# KiCad board FetsAndCrosses.kicad_pcb (continued)
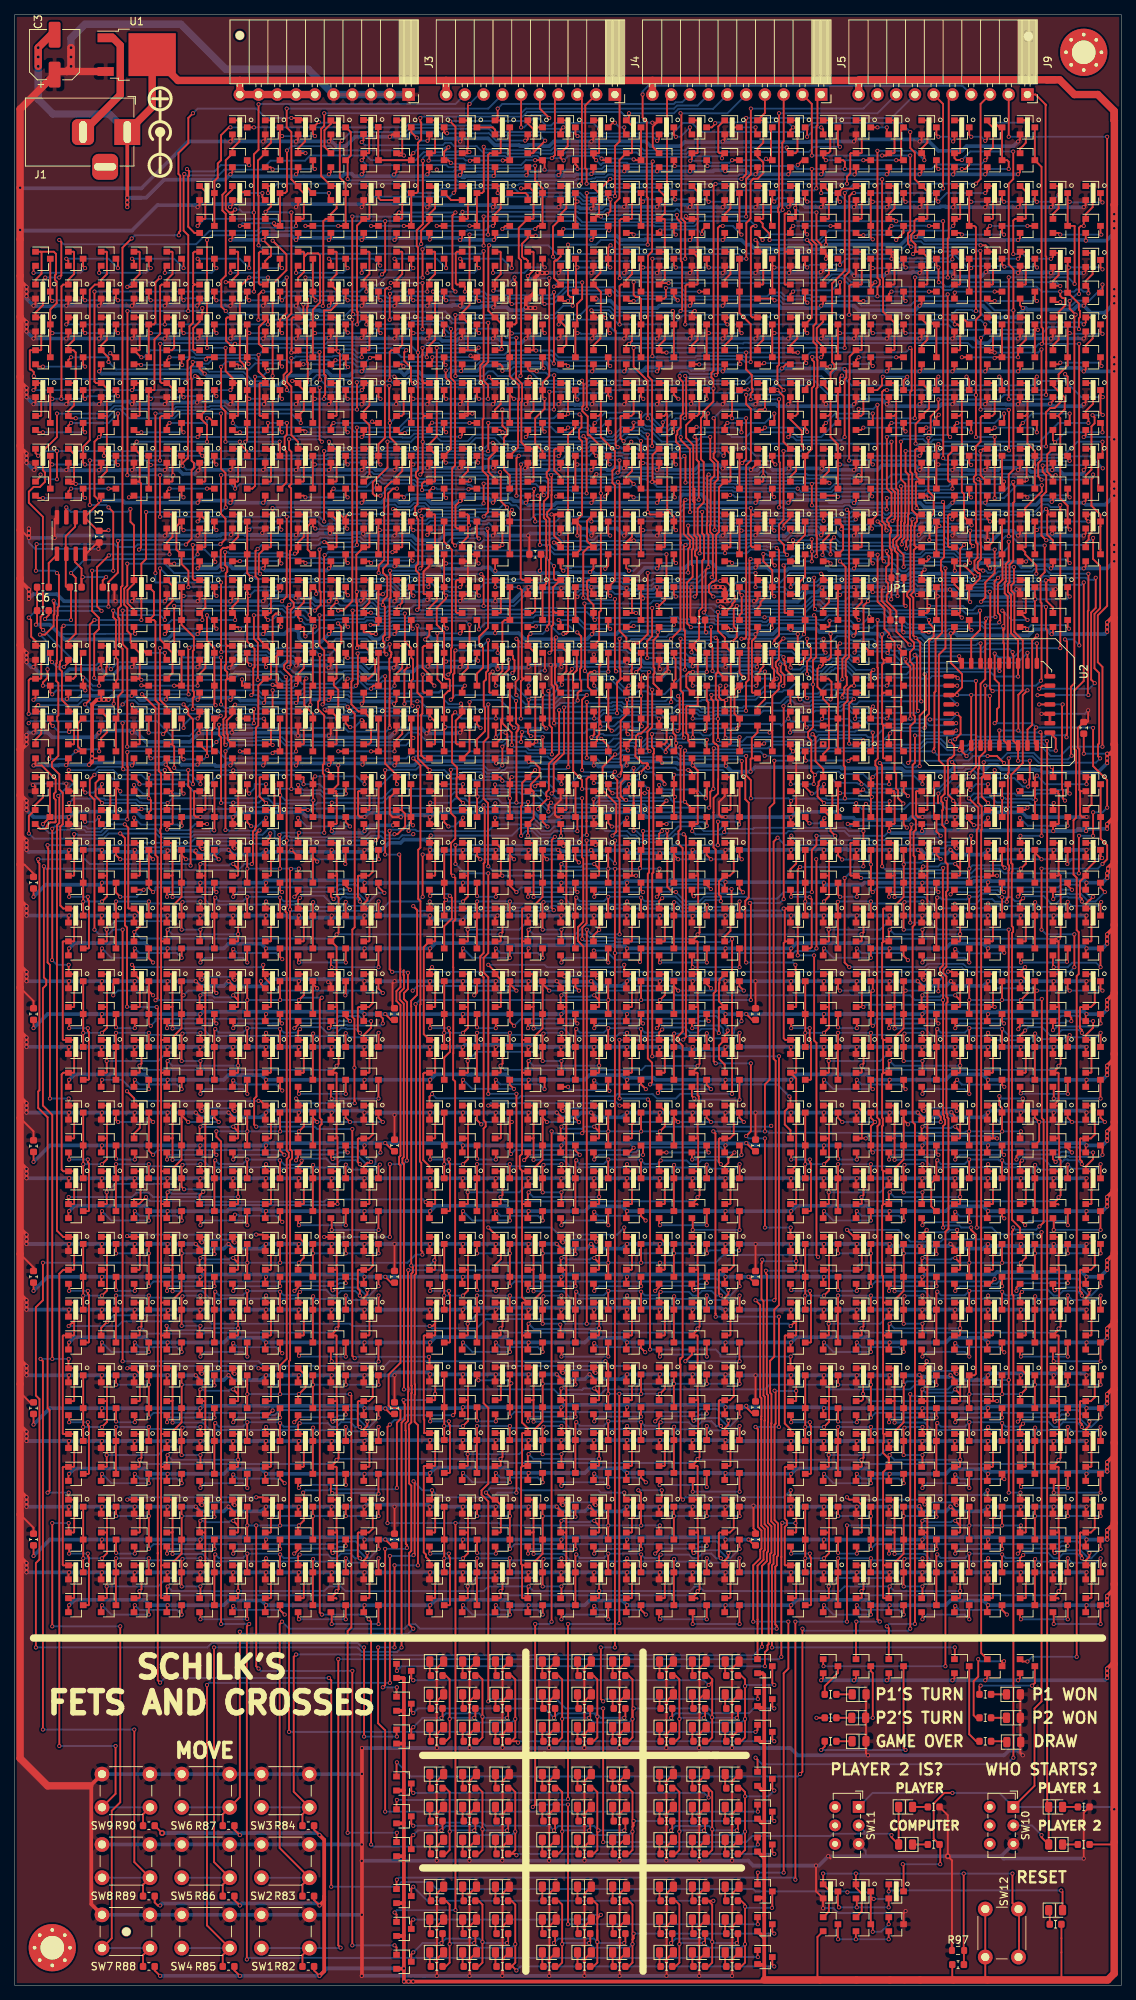
[diagram p0: board, top side]
## Routing (per net, layer and track width the routed paths; a pad name or vN(x,y) marks a point on that pad's centre or on a via; arc(x,y) is an arc through that point) (continued)
  Bottom w0.5: v1(7.37,86.99) 8.09,87.72 17.61,87.72 18.34,86.99 28.32,86.99 28.96,87.63 33.4,87.63 v1(34.04,86.99) v1(47.37,86.99) v1(56.26,86.99) 56.99,87.72 66.51,87.72 67.23,86.99 77.22,86.99 77.85,87.63 82.3,87.63 v1(82.93,86.99) v1(96.27,86.99) v1(105.16,86.99) 105.88,87.72 115.4,87.72 116.13,86.99 126.11,86.99 126.75,87.63 131.19,87.63 v1(131.83,86.99) v1(145.16,86.99) 147.32,86.99 v1(147.95,87.63) v1(147.95,88.26) v1(147.95,88.9) ; v1(7.37,69.21) 8.09,69.94 17.61,69.94 18.34,69.21 28.32,69.21 28.96,69.85 33.4,69.85 v1(34.04,69.21) v1(47.37,69.21) 56.14,69.21 v1(56.26,69.34) 56.99,70.07 66.51,70.07 67.23,69.34 77.22,69.34 77.85,69.97 82.3,69.97 v1(82.93,69.34) v1(96.27,69.34) 96.39,69.21 v1(105.16,69.21) 105.88,69.94 115.4,69.94 116.13,69.21 126.11,69.21 126.75,69.85 131.19,69.85 v1(131.83,69.21) 132.1,69.49 144.89,69.49 v1(145.16,69.21) 145.48,69.53 v1(147.98,69.53) 147.98,70.78 v1(147.95,70.8) v1(147.95,70.17) ; v1(7.37,51.43) 8.09,52.16 17.61,52.16 18.34,51.43 28.32,51.43 28.96,52.07 33.4,52.07 v1(34.04,51.43) v1(47.37,51.43) v1(56.26,51.43) 56.99,52.16 66.51,52.16 67.23,51.43 77.22,51.43 77.85,52.07 82.3,52.07 v1(82.93,51.43) v1(96.27,51.43) v1(105.16,51.43) 105.88,52.16 115.4,52.16 116.13,51.43 126.11,51.43 126.75,52.07 131.19,52.07 v1(131.83,51.43) v1(145.16,51.43) v1(147.98,51.43) 147.98,52.68 v1(147.95,52.7) v1(147.95,52.07) ; v1(7.37,122.55) 8.09,123.28 17.61,123.28 18.34,122.55 28.32,122.55 28.96,123.19 33.4,123.19 v1(34.04,122.55) v1(47.37,122.55) v1(56.26,122.55) 56.99,123.28 61.33,123.28 61.36,123.25 61.83,123.25 61.86,123.28 66.51,123.28 67.23,122.55 77.22,122.55 77.85,123.19 82.3,123.19 v1(82.93,122.55) 83.21,122.83 86.54,122.83 86.82,122.55 v1(96.27,122.55) v1(105.16,122.55) 105.88,123.28 115.4,123.28 116.13,122.55 126.11,122.55 126.84,123.28 131.1,123.28 v1(131.83,122.55) v1(145.16,122.55) 147.32,122.55 v1(147.95,123.19) v1(147.95,124.46) ; 46.99,104.77 v1(34.04,104.77) 33.65,104.77 33.4,105.02 29,105.02 28.75,104.77 18.34,104.77 17.61,105.5 8.09,105.5 v1(7.37,104.77) ; 46.99,104.77 v1(56.26,104.77) 56.99,105.5 66.51,105.5 67.23,104.77 77.22,104.77 77.85,105.41 82.3,105.41 v1(82.93,104.77) 95.89,104.77 ; 46.99,104.77 v1(47.37,104.77) ; v1(47.37,113.66) 47.05,113.99 ; 47.05,113.99 60.39,113.99 v1(60.71,113.66) 74.03,113.66 v1(74.04,113.66) 74.36,113.99 82.87,113.98 82.87,113.99 95.95,113.99 v1(96.27,113.66) 96.54,113.94 99.33,113.94 99.61,113.66 v1(109.6,113.66) 122.93,113.66 v1(122.93,113.66) 123.26,113.99 131.76,113.99 131.85,113.89 133.38,113.89 133.47,113.99 144.84,113.99 v1(145.16,113.66) 147.32,113.66 v1(147.95,114.3) v1(147.95,114.93) v1(147.95,115.57) ; 47.05,113.99 33.98,113.99 33.65,113.66 v1(25.14,113.66) 25.14,113.66 v1(11.81,113.66) 4.76,113.66 v1(2.54,111.44) ; 95.89,104.77 v1(105.16,104.77) 105.88,105.5 115.4,105.5 116.13,104.77 126.11,104.77 126.75,105.41 131.19,105.41 v1(131.83,104.77) v1(145.16,104.77) 147.32,104.77 v1(147.95,105.41) v1(147.95,106.04) v1(147.95,106.68) ; 95.89,104.77 v1(96.27,104.77) ; v1(73.66,245.01) 74.28,245.01 74.39,244.9 ; 49.53,149.22 54.61,149.22 54.61,149.22 v1(60.71,149.22) 74.03,149.22 v1(74.04,149.22) 82.54,149.22 82.86,149.55 82.96,149.45 88.69,149.45 88.82,149.58 95.99,149.58 v1(96.27,149.3) 109.53,149.3 v1(109.6,149.22) 109.88,148.95 114.78,148.95 115.05,149.22 v1(122.93,149.22) 129.71,149.22 129.96,149.47 132.01,149.47 132.08,149.55 132.18,149.45 133.38,149.45 133.47,149.55 144.84,149.55 v1(145.16,149.22) 147.32,149.22 v1(147.95,149.86) 148.07,149.98 v1(148.07,151.13) ; 49.53,149.22 49.79,149.22 ; 49.53,149.22 48.9,149.22 ; 10.37,165.49 14.61,165.49 14.78,165.31 20.01,165.31 20.38,165.68 22.08,165.68 22.57,165.19 27.04,165.19 27.22,165.01 28.29,165.01 28.65,165.37 43.54,165.37 v1(43.81,165.1) 44.09,165.37 51.16,165.37 v1(51.44,165.1) 54.1,165.1 54.67,165.68 64.94,165.68 v1(65.23,165.38) 65.68,165.83 66.39,165.83 66.71,165.51 69.44,165.51 69.58,165.64 71.01,165.64 71.24,165.41 73.28,165.41 73.45,165.59 76.94,165.59 77.12,165.41 78.42,165.41 78.51,165.51 79.06,164.96 82.41,164.96 82.96,165.51 83.87,165.51 83.9,165.48 84.4,165.48 84.56,165.64 87.48,165.64 v1(87.66,165.45) 89.64,165.45 89.75,165.34 91.58,165.34 v1(91.82,165.1) 91.86,165.06 96.3,165.06 v1(96.31,165.05) ; 10.37,165.49 10.37,165.95 v1(10.48,166.05) v1(10.48,166.69) ; 10.37,165.49 v1(10.07,165.19) 6,165.19 5.91,165.1 v1(2.54,165.1) ; v1(96.31,165.05) 96.31,165.05 96.85,164.52 ; v1(96.31,165.05) 97.11,164.25 v1(99.66,164.25) 100.27,164.86 111.82,164.86 111.99,164.69 120.07,164.69 120.48,164.28 126.63,164.28 127.21,164.86 128.27,164.86 128.61,165.19 130.51,165.19 131.15,164.56 131.42,164.56 132.05,165.19 133.06,165.19 133.69,164.56 138.15,164.56 138.27,164.44 138.9,164.44 139.2,164.14 146.68,164.14 v1(147.95,165.42) v1(147.95,166.05) v1(147.95,166.69) ; 17.14,241.94 17.78,241.94 20.23,244.38 28.48,244.38 v1(29.21,245.11) 29.48,244.84 44.37,244.84 44.74,245.2 45.63,245.2 45.96,244.87 60.69,244.87 60.86,244.69 ; 17.14,241.94 v1(15.24,241.94) v1(15.24,240.66) ; 17.14,241.94 15.88,241.94 ; v1(147.95,60.96) v1(147.95,61.59) 147.98,61.57 v1(147.98,60.32) v1(145.16,60.32) 144.84,60.65 123.26,60.65 v1(122.93,60.32) 122.93,60.32 v1(109.6,60.32) v1(99.38,60.32) v1(96.27,60.32) 95.95,60.65 74.36,60.65 v1(74.04,60.32) 74.03,60.32 v1(60.71,60.32) v1(47.37,60.32) 47.05,60.65 25.47,60.65 v1(25.14,60.32) 25.14,60.32 v1(11.81,60.32) 4.76,60.32 v1(2.54,58.1) ; v1(51.23,157) 48.16,157 v1(47.37,156.21) 47.13,155.97 43.17,155.97 v1(42.93,156.21) ; v1(148.91,194.94) v1(148.91,193.99) v1(148.91,192.72) 147.95,191.77 v1(144.78,191.77) v1(140.33,191.77) 139.88,192.22 137.84,192.22 137.6,191.98 136.37,191.98 135.67,192.67 134.87,192.67 134.68,192.48 130.7,192.48 129.3,191.09 127.45,191.09 127.41,191.04 123.73,191.04 123.57,190.89 122.88,190.89 122.58,191.19 121.29,191.19 120.91,190.8 119.85,190.8 119.11,191.55 110.31,191.55 110.09,191.77 104.78,191.77 104.46,191.45 102.37,191.45 101.94,191.89 v1(100.33,191.89) 100.31,191.86 99.92,191.86 99.83,191.77 95.18,191.77 94.29,192.66 91.59,192.66 90.7,191.77 v1(87,191.77) 86.9,191.86 85.38,191.86 84.24,190.73 82.84,190.73 82.56,191 78.58,191 78.3,191.27 v1(77.91,191.27) 75.19,191.27 74.64,190.73 73.95,190.73 73.54,191.13 65.09,191.13 64.32,191.9 63.35,191.9 63.16,191.71 58.07,191.71 57.29,192.5 54.58,192.5 54.14,192.05 v1(51.44,192.05) 51.31,192.18 49.22,192.18 48.81,191.77 v1(42.55,191.77) 42.27,191.5 33.93,191.5 v1(33.66,191.77) 29.53,191.77 28.89,192.4 27.94,192.4 27.31,191.77 v1(24.76,191.77) ; v1(11.43,200.94) 14.64,200.94 14.92,200.66 v1(24.76,200.66) 25.04,200.93 28.74,200.93 29.01,200.66 v1(46.99,200.66) 49.65,200.66 49.97,200.98 51.75,200.98 52.07,200.66 53.32,200.66 53.85,201.19 55.81,201.19 56.43,200.58 59.62,200.58 59.94,200.89 v1(60.33,200.89) 60.73,201.29 64.14,201.29 v1(64.77,200.66) 65.31,201.2 67.28,201.2 67.6,200.89 68.6,200.89 68.83,200.66 v1(69.22,200.66) 69.53,200.34 73.03,200.34 73.34,200.66 v1(78.11,200.66) v1(87,200.66) 89.9,200.66 90.11,200.87 90.11,201.39 90.49,201.77 92.27,201.77 92.29,201.79 92.99,201.79 93.37,201.41 93.44,201.41 94.2,200.66 v1(100.33,200.66) 103.07,200.66 103.16,200.75 104.3,200.75 104.39,200.66 v1(104.78,200.66) 105.15,201.03 110.12,201.03 110.42,200.73 112.04,200.73 112.19,200.89 113.39,200.89 v1(113.67,200.61) 113.71,200.57 118.46,200.57 118.55,200.66 122.6,200.66 123.22,200.04 126.38,200.04 v1(127,200.66) v1(131.44,200.66) 131.72,200.39 138.34,200.39 139,201.05 140.18,201.05 v1(140.45,200.78) 140.74,201.07 141.95,201.07 142.36,200.66 v1(144.78,200.66) 145.05,200.39 147.68,200.39 v1(148.91,201.61) v1(148.91,203.52) ; v1(2.54,173.99) 8.46,173.99 9,174.53 11.52,174.53 v1(12.07,173.99) ; v1(41.28,20.32) 41,20.59 30.75,20.59 v1(30.48,20.32) 30.21,20.59 v2(19.96,20.59) ; v1(60.29,245.03) 60.63,244.69 60.86,244.69 ; v1(41.28,10.79) 41,11.07 30.75,11.07 v1(30.48,10.79) 30.21,11.07 19.96,11.07 v1(19.68,10.79) ; v1(147.95,142.24) v1(147.95,141.6) v1(147.95,140.97) 147.32,140.33 v1(145.16,140.33) 144.89,140.61 132.1,140.61 v1(131.83,140.33) 131.19,140.97 126.75,140.97 126.11,140.33 116.13,140.33 115.4,141.06 105.88,141.06 v1(105.16,140.33) v1(96.27,140.33) v1(82.93,140.33) 82.65,140.61 81.2,140.61 81.05,140.76 66.8,140.76 66.51,141.06 56.99,141.06 v1(56.26,140.33) v1(47.37,140.33) v1(34.04,140.33) 33.4,140.97 28.96,140.97 28.32,140.33 18.34,140.33 17.61,141.06 8.09,141.06 v1(7.37,140.33) ; v1(47.39,149.22) 47.07,149.55 33.97,149.55 33.65,149.22 v1(25.14,149.22) 25.14,149.22 v1(11.81,149.22) 11.54,148.95 4.17,148.95 v1(2.54,147.32) ; v1(47.39,149.22) 47.39,149.22 ; v1(47.39,149.22) 48.9,149.22 ; v1(2.86,184.15) 4.76,184.15 6.76,182.15 20.67,182.15 21.39,182.88 v1(24.76,182.88) 36.51,182.88 37.09,183.46 38.09,183.46 38.47,183.08 38.47,182.39 39.02,181.84 41.5,181.84 v1(42.55,182.88) 47.82,182.88 48.55,182.15 49.32,182.15 50.12,182.95 50.97,182.95 51.05,182.88 v1(51.44,182.88) 55.46,182.88 55.54,182.96 55.8,182.96 56.52,182.25 62.87,182.25 63.61,182.99 v1(65.07,182.99) 68.26,182.99 69.07,182.19 73.09,182.19 v1(73.32,182.42) 73.55,182.19 77.5,182.19 v1(78.17,182.86) 81.45,182.86 81.83,183.24 86.95,183.24 v1(87.08,183.11) 87.39,183.42 90.7,183.42 91.03,183.09 93.6,183.09 v1(93.63,183.11) 93.65,183.09 94.56,183.09 94.58,183.11 96.28,183.11 96.79,182.59 97.7,182.59 98.16,183.05 99.17,183.05 99.37,182.85 v1(100.32,182.85) 102.66,182.85 103.39,183.58 104.84,183.58 ; v1(147.95,80.01) v1(147.95,78.74) 147.32,78.1 v1(145.16,78.1) 144.84,78.43 133.47,78.43 133.38,78.33 131.86,78.33 131.77,78.43 131.44,78.1 v1(122.93,78.1) 122.93,78.1 v1(109.6,78.1) 109.48,78.23 v1(96.27,78.23) 95.95,78.55 74.36,78.55 v1(74.04,78.23) 74.03,78.23 v1(60.71,78.23) 60.58,78.1 v1(47.37,78.1) 47.05,78.43 33.98,78.43 33.97,78.42 25.47,78.43 v1(25.14,78.1) 25.14,78.1 v1(11.81,78.1) 4.76,78.1 v1(2.54,75.88) ; v1(29.21,236.22) v1(33.66,236.22) 34.29,236.85 37.47,236.85 v1(38.1,236.22) 38.37,236.49 60.05,236.49 v1(60.33,236.22) 63.9,236.22 v1(64.88,236.22) 65.46,236.8 v1(70.54,236.8) 81.52,236.8 82.09,236.22 85.29,236.22 85.38,236.31 86.07,236.31 86.16,236.22 v1(95.89,236.22) 98.42,236.22 99.06,235.58 99.7,235.58 100.33,234.95 109.22,234.95 v1(109.86,235.58) 118.94,235.58 119.03,235.49 119.92,235.49 121.07,236.64 v1(122.02,236.64) 122.94,236.64 123.35,236.22 v1(135.89,236.22) 144.97,236.22 v1(145.06,236.13) 147.87,236.13 148.91,237.17 v1(148.91,237.81) v1(148.91,238.76) v1(148.91,239.71) ; v1(53.98,0.5) v1(53.34,0.5) v1(52.7,0.5) ; 62.8,244.9 62.76,244.87 61.03,244.87 60.86,244.69 ; 62.8,244.9 74.39,244.9 ; 62.8,244.9 62.82,244.89 v1(64.86,244.89) ; v1(12.07,173.99) v1(12.7,173.99) 13.24,174.53 16.4,174.53 17,173.93 17.54,173.93 17.69,174.08 23.21,174.08 23.39,173.9 23.93,173.9 24.3,174.26 28.94,174.26 v1(29.21,173.99) 29.48,174.26 30.21,174.26 30.57,173.9 32.91,173.9 33.23,173.57 v1(33.75,173.57) v1(38.11,173.57) 39.23,173.57 39.69,174.04 41.29,174.04 41.34,174.08 42.38,174.08 v1(42.51,173.96) 42.9,173.96 42.9,173.95 44.99,173.95 45.17,173.76 51.05,173.76 v1(51.37,173.44) ; v1(12.07,173.99) v1(11.43,173.99) ; v1(52.7,2.27) 42.28,2.27 v1(41.28,1.27) v1(19.68,1.27) ; 74.39,244.9 75.79,244.9 76,245.11 77.92,245.11 78.09,245.28 79.75,245.28 80.12,245.65 81.17,245.65 81.32,245.5 94.57,245.5 94.72,245.65 98.95,245.65 99.49,245.11 117.07,245.11 117.13,245.17 117.82,245.17 117.88,245.11 v1(135.89,245.11) ; v1(148.91,220.34) v1(148.91,219.39) v1(148.91,218.44) v1(144.78,218.44) 144.32,218.9 141.73,218.9 141.27,218.44 v1(135.89,218.44) v1(118.11,218.44) 112.52,218.44 112.19,218.77 111.12,218.77 110.41,218.06 109.64,218.83 v1(103.9,218.83) 103.51,218.44 v1(95.89,218.44) 95.61,218.71 93.44,218.71 93.37,218.65 91.67,218.65 91.33,218.98 85.51,218.98 84.97,218.44 v1(78.2,218.44) 73.6,218.44 73.41,218.63 72.55,218.63 72.34,218.84 72.34,219.2 71.91,219.63 67.34,219.63 66.94,219.22 63.33,219.22 62.58,218.47 v1(60.45,218.47) 60.4,218.53 59.34,218.53 58.96,218.15 58.96,217.81 55.28,217.81 54.69,218.4 53.26,218.4 52.78,217.92 52.25,218.44 v1(46.99,218.44) 45.9,218.44 45.32,217.86 42.86,217.86 42.23,218.5 40.24,218.5 39.61,217.86 37.07,217.86 35.73,216.53 32.01,216.53 30.73,217.8 26.04,217.8 v1(25.72,218.12) 25.33,218.12 24.93,218.52 24.12,218.52 23.72,218.12 11.75,218.12 v1(11.43,218.44) ; 48.9,149.22 49.53,149.22 49.54,149.22 ; 16.42,252 J1.1 ; v1(147.95,133.35) v1(147.95,132.08) 147.32,131.44 v1(145.16,131.44) 144.81,131.79 133.18,131.79 133.06,131.67 131.86,131.67 131.77,131.77 123.26,131.77 v1(122.93,131.44) 122.93,131.44 v1(109.6,131.44) v1(96.27,131.44) 95.95,131.77 74.36,131.77 v1(74.04,131.44) 74.03,131.44 v1(60.71,131.44) v1(47.37,131.44) 47.05,131.77 25.47,131.77 v1(25.14,131.44) 25.14,131.44 v1(11.81,131.44) 4.45,131.44 v1(2.54,129.54) ; 104.84,183.58 104.94,183.48 v1(105.09,183.48) ; 104.84,183.58 104.87,183.61 108.55,183.61 109,183.15 110.22,183.15 v1(110.49,182.88) 110.78,183.17 113.09,183.17 v1(113.6,182.66) 113.88,182.94 116.91,182.94 117.38,182.46 117.38,182.59 118.18,183.39 120.09,183.39 v1(120.36,183.11) 122.75,183.11 123.45,182.41 124.15,182.41 124.43,182.69 126.49,182.69 v1(126.77,182.98) 127.4,182.98 127.68,182.69 130.19,182.69 130.28,182.79 131.34,182.79 131.43,182.69 137.29,182.69 138.11,183.51 139.78,183.51 v1(140.43,182.86) 140.82,182.86 140.84,182.88 147.64,182.88 v1(147.95,183.2) v1(147.95,184.47) ; v1(147.95,42.86) v1(147.95,42.23) v1(147.95,41.59) 147.64,41.27 v1(135.89,41.27) v1(127,41.27) v1(118.11,41.27) v1(109.22,41.27) ; v1(147.95,98.11) v1(147.95,97.47) v1(147.95,96.84) 147,95.88 v1(145.16,95.88) 144.53,96.52 133.03,96.52 132.72,96.21 123.26,96.21 v1(122.93,95.88) 122.93,95.88 v1(109.6,95.88) v1(99.38,95.88) v1(96.27,95.88) 95.95,96.21 74.36,96.21 v1(74.04,95.88) 74.03,95.88 v1(60.71,95.88) v1(47.37,95.88) 47.05,96.21 25.47,96.21 v1(25.14,95.88) 25.14,95.88 v1(11.81,95.88) 4.45,95.88 v1(2.54,93.98) ; v1(78.77,228.28) 79.05,228.01 80.64,228.01 81.64,227.01 87,227.01 87.31,227.33 v1(91.44,227.33) v1(95.89,227.33) 103.51,227.33 103.82,227.01 108.9,227.01 v1(109.22,227.33) 113.67,227.33 114.3,226.69 121.92,226.69 v1(122.55,227.33) 131.13,227.33 132.72,225.74 135.57,225.74 136.52,226.69 v1(136.52,227.01) 136.91,227.01 137.14,226.79 143.4,226.79 143.94,227.33 v1(144.78,227.33) 145.73,226.38 147.64,226.38 v1(148.91,227.65) v1(148.91,228.6) v1(148.91,229.55) ; v1(147.95,156.53) 145.41,156.53 v1(145.1,156.21) 144.82,156.48 143.98,156.48 143.71,156.21 139.5,156.21 139.41,156.3 135.86,156.3 125.06,156.3 124.7,155.94 118.7,155.94
  Bottom w1: J1.1 12.79,253.28 5.17,253.28 3.18,255.27 v2(3.18,259.71) v2(3.18,260.99) v2(3.18,262.25)
  vias: v1(15.24,241.3)
/Clock/sheet5F1B5D77/A: length 25.5
  Top w0.25: v1(15.66,199.81) 15.66,198.08 16.14,197.6 Q1363.1 16.14,189.72 15.27,188.85 15.27,187.04 16.14,186.17 Q1364.1 ; v1(6.98,200.02) 6.91,199.94 6.91,198.67
  Bottom w0.25: v1(6.98,200.02) 7.59,199.42 15.27,199.42 v1(15.66,199.81)
/Computer/2: length 530.2
  Top w0.25: Q1243.3 80.38,116.86 ; 80.38,116.86 80.39,116.84 ; 80.38,116.86 Q1244.3 ; Q1246.3 84.82,115.59 v1(84.84,115.57) ; Q1261.1 87.27,115.46 v1(87.38,115.57) 88.04,116.23 88.04,118.33 87.31,119.06 Q1259.1 87.38,119.17 ; v1(55.16,202.37) 55.16,203.22 55.45,203.51 Q574.1 56.85,203.51 56.93,203.59 56.93,207.23 56.2,207.96 Q572.1 56.15,208.61 57.15,209.61 v1(57.15,221.61) ; v1(61.59,236.95) 61.59,227.39 60.59,226.39 Q564.1 60.65,225.74 61.37,225.01 61.37,221.37 61.3,221.29 ; v1(70.48,198.12) 70.48,198.51 70.26,198.73 70.26,202.06 70.34,202.14 v1(70.34,202.53) ; v1(138.53,174.6) 138.55,174.62 U2.2 ; v1(76.86,115.32) 77.02,115.49 77.02,140.59 76.27,141.34 76.27,143.2 77,143.93 77,152.49 76.84,152.65 v1(76.84,160.65) ; 102.33,116.44 v1(102.45,116.31) ; Q1336.1 100.6,8.3 v1(100.65,8.25) ; 61.3,221.29 Q563.1 ; 61.3,221.29 62.47,221.29 v1(62.83,221.65) ; v1(72.72,161.3) 72.99,161.58 72.99,165.34 74.38,166.73 v1(74.38,172.94) ; Q740.1 109.49,195.47 110.27,196.24 110.27,198.99 110.19,199.07 Q739.1 109.49,198.27 v1(109.55,198.21) ; Q740.1 109.17,194.94 ; Q740.1 109.49,193.69 v1(109.4,193.6) ; v1(65.41,254) 65.41,252.77 Q537.1 65.74,252.41 65.82,252.33 65.82,248.04 65.74,247.96 Q538.1 64.34,247.96 64.11,247.74 v1(64.11,236.95) ; v1(112.09,176.77) 112.09,179.51 112.53,179.94 112.53,191.95 v1(111.76,192.72) ; v1(72.71,49.21) v1(72.71,115.57) ; v1(70.48,48.89) 70.48,24.45 v1(70.17,24.13) ; v1(130.07,190.68) 128.7,192.05 v1(128.7,192.17) ; v1(145.41,174.62) 145.33,174.71 145.33,185.98 145.41,186.06 v1(145.41,191.04) ; v1(74.93,8.25) v1(74.93,24.45)
  Bottom w0.25: v1(55.16,202.37) 56.09,202.37 56.53,201.93 61.12,201.93 61.17,201.88 61.74,201.88 61.75,201.89 66.98,201.89 67.62,202.53 v1(70.34,202.53) ; v1(111.76,192.72) 111.41,193.07 111.16,193.07 ; v1(128.7,192.17) 127.54,192.17 127.06,192.66 123.49,192.66 123.37,192.77 120.37,192.77 120.19,192.96 118.86,192.96 118.49,193.33 117.42,193.33 116.92,192.83 116.76,192.83 116.52,193.07 111.16,193.07 ; v1(74.38,172.94) 74.51,173.07 80.95,173.07 81.1,173.22 82.05,173.22 82.36,172.9 89.34,172.9 89.77,173.34 92.47,173.34 93.05,172.77 93.64,172.77 93.79,172.92 95.9,172.92 95.91,172.9 98.56,172.9 98.76,173.1 101.35,173.1 101.79,173.54 103.69,173.54 104.52,174.37 105.79,174.37 106.23,174.81 108.77,174.81 110.04,176.08 111.4,176.08 v1(112.09,176.77) ; v1(70.48,198.12) 73.3,198.12 73.94,198.75 95.46,198.75 95.83,198.39 103.88,198.39 103.91,198.36 109.4,198.36 v1(109.55,198.21) ; v1(70.17,24.13) 70.48,24.45 v1(74.93,24.45) ; 111.16,193.07 109.93,193.07 v1(109.4,193.6) ; v1(65.41,254) 66.04,254.63 89.28,254.63 89.51,254.87 90.4,254.87 91.44,255.9 ; v1(70.48,48.89) 72.39,48.89 v1(72.71,49.21) ; v1(61.59,236.95) v1(64.11,236.95) ; v1(62.83,221.65) 60.34,221.65 60.22,221.54 57.22,221.54 v1(57.15,221.61) ; v1(130.07,190.68) 132.52,190.68 133.18,191.35 137.78,191.35 138.08,191.65 139.61,191.65 140.06,191.2 140.12,191.2 140.27,191.04 v1(145.41,191.04) ; v1(72.72,161.3) 73.37,160.65 v1(76.84,160.65) ; v1(102.45,116.31) 102.35,116.2 88.01,116.2 v1(87.38,115.57) v1(84.84,115.57) v1(80.39,115.57) 77.1,115.57 v1(76.86,115.32) 76.83,115.3 72.98,115.3 v1(72.71,115.57) ; v1(145.41,174.62) 138.55,174.62 v1(138.53,174.6) ; v1(100.65,8.25) v1(74.93,8.25)
/Computer/3: length 609.6
  Top w0.25: Q1201.3 31.48,116.86 ; 31.48,116.86 31.5,116.84 ; 31.48,116.86 Q1202.3 ; Q1204.3 35.92,115.59 v1(35.94,115.57) ; Q1219.1 38.37,115.46 v1(38.48,115.57) 39.15,116.23 39.15,118.98 39.07,119.06 Q1217.1 ; 38.48,119.17 Q1217.1 ; Q1217.1 38.37,119.74 v1(38.1,120.01) ; Q1217.1 38.17,119.06 38.16,119.07 ; 38.72,225.7 38.68,225.74 Q583.1 ; v1(27.94,48.89) 27.94,114.2 27.31,114.83 v1(27.31,115.57) ; v1(41.28,221.03) 41.28,217.4 v1(41.35,217.32) ; 39.07,225.74 39.09,225.76 v1(39.09,227.49) ; 39.07,225.74 38.83,225.74 ; 39.07,225.74 Q583.1 ; v1(146.4,190.5) 146.4,186.41 145.78,185.79 145.78,176.71 v1(146.27,176.23) ; v1(41.69,173.36) 41.91,173.58 41.91,180.66 41.28,181.29 v1(41.28,185.42) ; Q581.1 60.92,212.72 v1(61.98,212.72) ; Q581.1 61.3,212.4 61.37,212.48 61.37,216.77 61.3,216.85 Q582.1 ; Q581.1 60.5,212.5 60.38,212.5 ; v1(41.72,227.29) 41.79,227.36 41.79,238.75 42.11,239.07 Q534.1 42.81,239.72 43.59,240.5 43.59,243.44 43.52,243.52 Q533.1 42.81,243.57 41.49,244.89 41.49,251.26 41.91,251.68 v1(41.91,253.36) ; v1(45.08,173.04) 46.04,172.08 46.04,149.12 46.03,149.12 46.03,143.2 45.72,142.88 45.72,131.06 46,130.78 v1(46,124.18) 46,119.8 46.04,119.77 v1(46.04,119.38) ; v1(50.73,216.49) 50.73,216.1 50.71,216.08 50.71,211.93 50.8,211.84 v1(50.8,211.45) 50.8,209.51 51.7,208.61 Q571.1 52.41,207.96 52.48,207.88 52.48,204.94 51.7,204.16 Q573.1 51.01,203.51 50.13,202.64 50.13,201.32 50.04,201.23 50.04,192.91 49.28,192.16 v1(49.28,191.17) ; v1(31.75,48.89) 31.43,48.58 v1(31.43,3.49) ; Q583.1 37.67,225.74 37.5,225.57 37.5,221.47 37.47,221.43 v1(37.47,220.98) 38.06,220.98 Q585.1 38.37,221 38.38,220.99 ; 140.19,175.89 139.15,175.89 v1(138.74,175.48) ; v1(63.5,186.69) 63.5,190.68 v1(63.19,190.99) ; Q736.1 109.49,186.38 110.27,187.16 110.27,190.1 110.19,190.18 Q735.1 109.49,190.83 109.28,191.04 v1(109.22,191.04) ; v1(100.65,3.81) 100.6,3.86 Q1334.1 100.65,4.76
  Bottom w0.25: v1(38.48,115.57) v1(35.94,115.57) v1(31.5,115.57) v1(27.31,115.57) ; v1(50.73,216.49) 50.68,216.53 46.8,216.53 46.61,216.35 42.33,216.35 v1(41.35,217.32) ; v1(146.4,190.5) 146.13,190.23 145.35,190.23 145.07,190.5 140.18,190.5 139.93,190.75 139.36,190.75 139.06,190.45 134.02,190.45 133.43,189.86 132.95,189.86 132.63,190.19 131.2,190.19 131.1,190.08 129.79,190.08 129.35,190.51 127.71,190.51 127.67,190.47 123.97,190.47 123.81,190.31 122.64,190.31 122.34,190.61 121.53,190.61 121.14,190.23 119.62,190.23 119.08,190.77 109.49,190.77 v1(109.22,191.04) 109.11,191.16 104.98,191.16 103.69,189.86 97.73,189.86 96.44,188.58 86.96,188.58 86.68,188.3 81.29,188.3 80.93,188.66 80.36,188.66 80.29,188.59 77.72,188.59 77.47,188.84 76.53,188.84 76.21,188.53 74.35,188.53 74.33,188.5 69.42,188.5 67.61,186.69 v1(63.5,186.69) 56.65,186.69 56.57,186.77 54.03,186.77 53.59,186.33 52.64,186.33 52.32,186.01 50.56,186.01 50.32,185.78 49.37,185.78 49.07,186.08 48.89,186.08 48.28,186.69 48.26,186.69 46.99,185.42 v1(41.28,185.42) ; 38.39,220.98 41.23,220.98 v1(41.28,221.03) ; 38.39,220.98 v1(37.47,220.98) ; 38.39,220.98 38.38,220.99 ; v1(41.69,173.36) 41.69,173.35 44.77,173.35 v1(45.08,173.04) ; 93.98,255.9 92.49,254.42 89.7,254.42 89.28,254 69.22,254 68.58,253.36 v1(41.91,253.36) ; v1(31.75,48.89) v1(27.94,48.89) ; v1(63.19,190.99) 57.98,190.99 57.97,191 51.24,191 51.09,190.85 49.6,190.85 v1(49.28,191.17) ; v1(31.43,3.49) 31.64,3.7 91.96,3.7 92.08,3.81 v1(100.65,3.81) ; v1(50.8,211.45) 52.07,212.72 v1(61.98,212.72) ; v1(38.1,120.01) 38.73,119.38 v1(46.04,119.38) ; v1(138.74,175.48) 145.53,175.48 v1(146.27,176.23) ; v1(39.09,227.49) 39.48,227.49 39.68,227.29 v1(41.72,227.29)
/Computer/5: length 564.6
  Top w0.25: Q305.3 80.38,63.52 ; 80.38,63.52 80.39,63.5 ; 80.38,63.52 Q306.3 ; v1(84.84,62.23) 84.82,62.25 Q308.3 84.82,66.63 v1(84.45,66.99) ; Q323.1 87.27,62.12 v1(87.38,62.23) ; 87.38,65.83 Q321.1 87.63,66.08 v1(87.63,66.99) ; 61.37,251.24 61.37,254.41 v1(61.59,254.63) ; 61.37,251.24 61.37,248.71 61.3,248.64 61.3,247.97 ; 61.37,251.24 61.37,252.33 61.3,252.41 Q536.1 ; v1(23.5,226.6) 23.5,236.85 22.87,237.48 22.87,245.1 ; v1(15.26,226.58) 15.26,204.4 v1(15.24,204.38) ; v1(50.48,62.55) 50.48,75.56 v1(50.8,75.88) ; Q445.1 24.33,221.29 24.16,221.47 24.16,224.28 25.04,225.15 Q446.1 25.4,226.1 v1(25.4,227.01) ; Q454.1 21.29,207.96 21.37,207.88 21.37,203.59 21.29,203.51 Q456.1 ; Q1335.1 51.7,9.57 v1(51.44,9.84) ; 61.3,247.96 Q535.1 61.4,247.96 v1(61.58,248.14) ; 61.3,247.96 61.3,248.2 61.32,248.22 ; v1(72.71,199.07) 72.71,199.07 Q795.1 ; v1(90.84,194.94) 90.61,194.71 90.61,183.5 90.77,183.34 v1(90.77,178.07) ; 73.52,199.22 73.79,198.95 73.81,198.95 Q795.1 ; v1(59.69,10.16) v1(59.69,62.55) ; v1(75.46,178.16) 75.46,177.95 74.98,177.47 74.98,164.89 v1(74.96,164.87) ; U2.5 v1(138.43,181.61) ; v1(19.66,198.75) 19.66,204.36 v1(19.68,204.38) ; v1(121.19,181.44) 119.4,183.23 119.4,186 118.11,187.29 118.11,188.21 118.29,188.4 118.29,189.73 118.02,190.01 118.02,191.94 118.36,192.29 118.36,193.45 118.11,193.71 v1(118.11,194.09) ; Q795.1 73.23,199.07 73.06,198.9 73.06,196.18 73.93,195.31 Q796.1 73.29,195.26 v1(73.03,195.26) ; v1(59.06,164.5) 59.06,158.66 59.67,158.05 59.67,155.17 59.09,154.59 59.09,150.46 v1(59.39,150.16) 59.67,149.88 59.67,144.21 59.37,143.92 59.37,137.79 59.39,137.78 59.39,126.15 59.37,126.14 59.37,122.59 59.65,122.32 59.65,77.43 v1(59.37,77.15)
  Bottom w0.25: v1(87.38,62.23) v1(84.84,62.23) v1(80.39,62.23) 65.88,62.23 65.56,62.55 v1(59.69,62.55) v1(50.48,62.55) ; v1(61.59,254.63) 62.87,255.9 63.5,255.9 ; v1(25.4,227.01) 24.99,226.6 v1(23.5,226.6) 15.29,226.6 v1(15.26,226.58) ; v1(138.43,181.61) 131.7,181.61 131.02,180.93 122.84,180.93 122.54,181.24 121.39,181.24 v1(121.19,181.44) ; v1(74.96,164.87) 74.69,164.59 71.24,164.59 70.77,165.07 69.88,165.07 69.63,164.81 66.64,164.81 66.33,164.5 66.08,164.5 65.59,164.01 63.95,164.01 63.31,164.65 59.2,164.65 v1(59.06,164.5) ; v1(22.96,245.16) 23.16,244.96 27.61,244.96 28.4,245.74 33.44,245.74 34.64,246.95 39.3,246.95 40,247.65 47.62,247.65 48.26,247.01 54.29,247.01 55.38,248.1 58.3,248.1 58.36,248.16 59.89,248.16 59.92,248.2 ; v1(59.37,77.15) 53.02,77.15 52.39,76.52 51.44,76.52 v1(50.8,75.88) ; v1(75.46,178.16) 75.78,178.49 77.5,178.49 77.55,178.44 83.25,178.44 83.6,178.79 84.65,178.79 85.09,178.35 86.13,178.35 87,177.48 87.63,177.48 87.98,177.84 87.98,178.09 88.29,178.4 89.78,178.4 90.11,178.07 v1(90.77,178.07) ; v1(61.58,248.14) 61.52,248.2 59.92,248.2 ; v1(19.66,198.75) 35.94,198.75 36.54,199.36 42.18,199.36 43.28,198.26 55.7,198.26 56.1,198.65 62.76,198.65 63.22,198.19 63.8,198.19 63.93,198.33 69.8,198.33 70.55,199.07 v1(72.71,199.07) ; v1(73.03,195.26) 73.57,194.71 78.77,194.71 79,194.94 v1(90.84,194.94) 91.02,195.13 99.19,195.13 99.27,195.21 102.03,195.21 102.1,195.13 103.95,195.13 104.14,194.94 ; 59.92,248.2 61.08,248.2 ; 104.14,194.94 107.06,194.94 107.22,195.11 110.33,195.11 110.71,194.73 110.96,194.73 111.46,194.23 117.98,194.23 v1(118.11,194.09) ; 104.14,194.94 104.08,194.94 ; v1(51.44,9.84) 51.75,10.16 v1(59.69,10.16) ; v1(15.24,204.38) v1(21.47,204.38) ; v1(84.45,66.99) v1(87.63,66.99)
/Computer/6: length 587.3
  Top w0.25: Q263.3 31.48,63.52 ; 31.48,63.52 31.5,63.5 ; 31.48,63.52 Q264.3 ; Q266.3 35.92,62.25 v1(35.94,62.23) ; Q281.1 38.37,62.12 v1(38.48,62.23) 39.15,62.89 39.15,65.64 ; 38.48,65.83 Q279.1 39.07,65.72 39.15,65.64 ; 72.92,186.04 73.23,185.73 Q792.1 ; 72.92,186.04 72.92,189.22 73.88,190.18 Q791.1 73.23,190.18 73.03,190.38 v1(73.03,192.09) ; 72.92,186.04 72.92,184.15 72.71,183.94 72.71,182.18 72.72,182.17 72.72,180.63 v1(72.43,180.34) ; v1(104.07,175.87) 104.24,176.03 104.24,177.32 103.74,177.82 103.74,178.71 v1(103.67,178.77) ; v1(39.05,66.67) 39.15,66.58 39.15,65.64 ; v1(32.7,62.23) 32.7,43.18 v1(33.02,42.86) ; v1(51.44,5.4) 51.7,5.13 Q1333.1 ; 52.24,136.06 52.2,136.09 52.2,137.51 ; 52.24,136.06 52.24,135.09 51.69,134.55 51.69,133.22 52.24,132.68 52.24,112.28 52.05,112.09 52.05,111.14 52.24,110.96 52.24,84.24 50.63,82.64 50.63,78.45 50.95,78.13 51.92,78.13 52.24,77.81 52.24,76.62 51.75,76.14 v1(51.75,67.31) ; 52.24,136.06 52.24,136.42 ; 16.85,203.51 Q455.1 16.1,203.51 ; 16.85,203.51 17.1,203.26 17.1,194.58 v1(16.83,194.31) ; 16.85,203.51 16.92,203.59 16.92,207.23 16.2,207.96 Q453.1 16.14,208.55 v1(16.51,208.91) ; v1(52.07,153.03) 52.2,152.9 52.2,137.51 ; Q531.1 38.1,238.8 v1(38.1,238.12) ; Q531.1 38.42,239.07 ; Q531.1 39.07,239.07 39.15,239.15 39.15,242.54 38.37,243.32 Q532.1 37.47,244.42 37.47,250.82 36.83,251.46 v1(36.83,254) ; v1(89.77,169.76) 90.05,170.04 90.05,174.26 v1(89.84,174.47) 89.84,174.44 89.85,174.42 ; v1(45.72,5.4) v1(45.72,42.54) ; 24.88,217.01 24.88,217 Q464.1 ; Q464.1 25.04,217.5 24.74,217.8 v1(24.45,217.8) ; Q464.1 25.74,216.85 25.81,216.77 25.81,213.13 25.08,212.4 Q463.1 25.04,212.2 26.04,211.2 v1(26.04,208.91) ; v1(68.58,168.27) 68.58,169 68.66,169.08 ; U2.6 v1(137.16,180.34) ; 68.66,169.08 68.66,169.57 v1(68.69,169.6) ; 68.66,169.08 68.58,169.01 ; v1(66.04,165.1) v1(66.04,167.64) ; 52.2,137.51 52.24,137.54 ; v1(4.13,231.14) 3.81,230.82 3.81,227.39 2.81,226.39 Q465.1 3.51,225.74 3.59,225.66 3.59,221.37 3.51,221.29 Q467.1 2.11,221.29 2.03,221.22 2.03,218.73 2.1,218.67 2.25,218.67 2.58,218.34 v1(2.58,217.79) ; v1(6.03,231.14) 6.31,231.41 6.31,235.95 v1(6.03,236.22) ; v1(50.17,153.03) v1(50.17,164.46)
  Bottom w0.25: v1(31.5,62.23) v1(35.94,62.23) v1(38.48,62.23) ; v1(89.77,169.76) 89.5,170.04 85.97,170.04 85.55,169.63 83.62,169.63 83.32,169.93 82.29,169.93 81.54,169.18 79.85,169.18 79.67,169.36 79.18,169.36 78.58,169.96 77.63,169.96 77.18,169.51 71.71,169.51 71.62,169.6 70.26,169.6 70.19,169.67 68.76,169.67 v1(68.69,169.6) ; v1(137.16,180.34) 135.81,178.99 121.7,178.99 121.12,178.41 120.18,178.41 119.6,178.99 115.41,178.99 114.32,180.07 114.02,179.77 113.45,179.77 113.17,180.05 110.38,180.05 110.1,179.77 109.92,179.77 109.79,179.64 105.12,179.64 104.39,178.92 103.99,178.92 ; v1(72.43,180.34) 72.8,180.71 82.77,180.71 83.19,180.29 90.84,180.29 91.32,179.82 91.54,179.82 91.74,179.62 103.28,179.62 103.99,178.92 ; v1(4.13,231.14) v1(6.03,231.14) ; v1(33.02,42.86) 33.34,42.54 v1(45.72,42.54) ; v1(38.1,238.12) 37.86,237.88 33.23,237.88 32.81,237.46 26.38,237.46 24.57,235.64 6.61,235.64 v1(6.03,236.22) ; v1(51.75,67.31) 51.57,67.13 43.38,67.13 43.29,67.21 42.72,67.21 42.5,66.99 39.37,66.99 v1(39.05,66.67) ; v1(68.58,168.27) 67.94,168.27 67.67,168.55 66.95,168.55 66.04,167.64 v1(66.04,167.64) ; v1(89.84,174.47) 90.59,175.23 96.61,175.23 97.39,174.45 100.15,174.45 101.57,175.87 v1(104.07,175.87) ; v1(103.67,178.77) 103.84,178.77 103.99,178.92 ; v1(51.44,5.4) v1(45.72,5.4) ; v1(24.45,217.8) 24.05,217.4 2.97,217.4 v1(2.58,217.79) ; v1(73.03,192.09) 71.69,193.42 53.59,193.42 53.45,193.28 42.57,193.28 42.26,192.96 41.68,192.96 41.48,193.16 36.85,193.16 36.66,193.36 26.67,193.36 25.72,194.31 v1(16.83,194.31) ; v1(16.51,208.91) v1(26.04,208.91) ; v1(36.83,254) 64.14,254 66.04,255.9 ; v1(52.07,153.03) v1(50.17,153.03) ; v1(66.04,165.1) 65.41,164.46 64.14,164.46 63.5,165.1 54.91,165.1 54.33,164.52 51.75,164.52 51.72,164.5 51.15,164.5 51.12,164.52 51.06,164.46 v1(50.17,164.46)
